# Altium PCB Lancelot.PcbDoc (part 2 of 14) (continued)
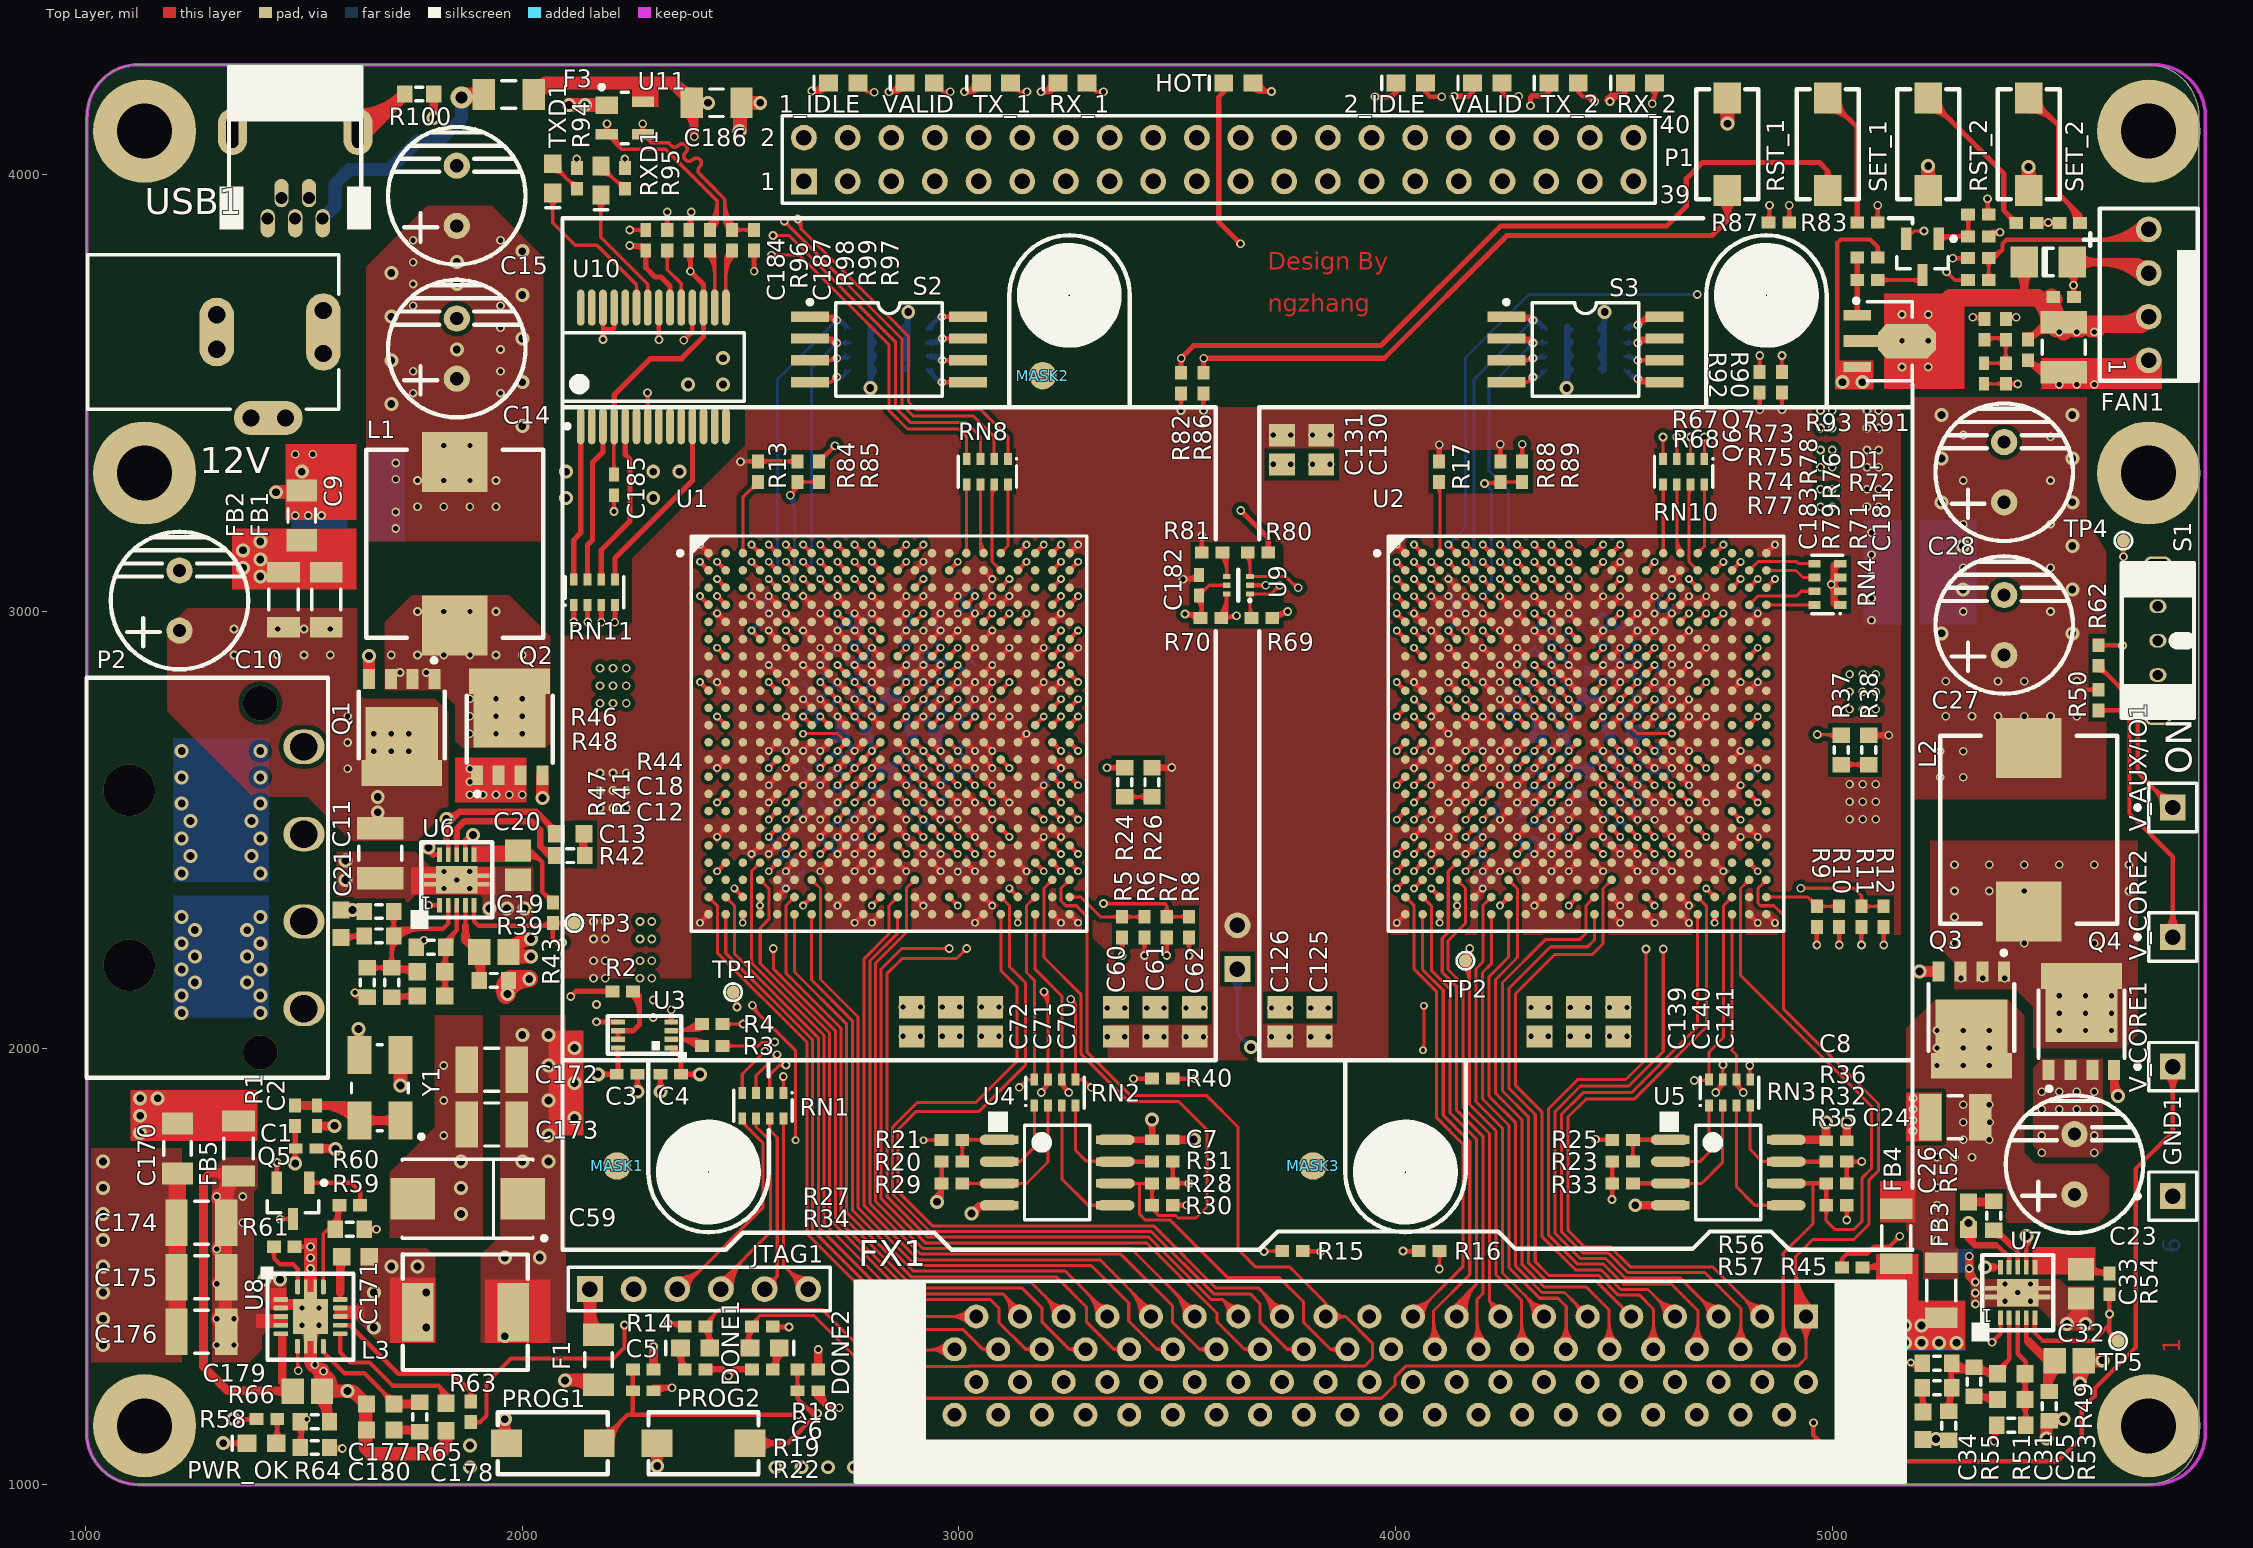
[diagram p0: Top Layer view]
## Nets (pads, with @x,y where several pads share a name; then routed paths per layer and width w, separated by ;. In a path a pad name is that pad's centre, name@x,y a point inside that pad or via, vN(x,y) a via of type N, cw(c..) or ccw(c..) an arc to the next point about the centre after c; other vN are vias at no path point) (continued)
FPGA1_B1_5_P: U1.H21 U2.K5 | length 1141.9
  Top Layer w10: U1.H21@3214.02,2857.8 v1(3233.7,2877.48) ; U1.H21@3214.02,2862.64 ccw(c3214.02,2874.33) 3222.28,2866.06 ccw(c3230.55,2857.8) U1.H21@3218.86,2857.8 ; v1@3229.7,2877.48 cw(c3220.04,2877.48) 3226.87,2870.65 cw(c3233.7,2863.82) v1@3233.7,2873.48 ; v1@4160.4,2794.67 cw(c4160.4,2785.01) 4167.23,2791.84 cw(c4174.06,2798.67) v1@4164.4,2798.67 ; v1(4160.4,2798.67) U2.K5@4180.09,2778.98 ; U2.K5@4175.24,2778.98 ccw(c4163.55,2778.98) 4171.82,2787.25 ccw(c4180.09,2795.52) U2.K5@4180.09,2783.83
  Mid-Layer 4 w7: v1@3233.7,2871.98 cw(c3233.7,2858.7) 3243.09,2868.09 cw(c3252.48,2877.48) v1@3239.2,2877.48 ; v1(3233.7,2877.48) 3253.39,2857.8 3272.96,2857.8 3286.89,2871.72 4059.28,2871.72 4083.35,2847.65 4083.35,2836.45 4101.44,2818.35 4140.72,2818.35 v1(4160.4,2798.67) ; v1@4154.9,2798.67 ccw(c4141.62,2798.67) 4151.01,2808.06 ccw(c4160.4,2817.45) v1@4160.4,2804.17
FPGA1_B1_6_N: U1.K22 U2.K1 | length 1087.8
  Top Layer w10: U1.K22@3253.39,2779.06 v1(3273.07,2798.74) ; U1.K22@3253.39,2783.9 ccw(c3253.39,2795.59) 3261.65,2787.32 ccw(c3269.92,2779.06) U1.K22@3258.23,2779.06 ; v1@3269.07,2798.74 cw(c3259.41,2798.74) 3266.24,2791.91 cw(c3273.07,2785.08) v1@3273.07,2794.74 ; v1(4002.92,2759.3) U2.K1@4022.61,2778.98 ; v1@4002.92,2763.3 ccw(c4002.92,2772.96) 4009.75,2766.13 ccw(c4016.58,2759.3) v1@4006.92,2759.3 ; U2.K1@4017.76,2778.98 cw(c4006.07,2778.98) 4014.34,2770.72 cw(c4022.61,2762.45) U2.K1@4022.61,2774.14
  Mid-Layer 4 w7: v1(3273.07,2798.74) 3294.48,2798.74 ccw(c3294.48,2809.74) 3305.48,2809.74 3305.48,2810.63 cw(c3316.48,2810.63) 3316.48,2821.63 cw(c3316.48,2810.63) 3327.48,2810.63 3327.48,2809.74 ccw(c3338.48,2809.74) 3338.48,2798.74 ccw(c3338.48,2809.74) 3349.48,2809.74 3349.48,2810.63 cw(c3360.48,2810.63) 3360.48,2821.63 cw(c3360.48,2810.63) 3371.48,2810.63 3371.48,2809.74 ccw(c3382.48,2809.74) 3382.48,2798.74 3438,2798.74 3758,2798.74 3778.87,2798.74 3789.87,2798.74 ccw(c3789.87,2809.74) 3800.87,2809.74 3800.87,2817.74 cw(c3811.87,2817.74) 3811.87,2828.74 cw(c3811.87,2817.74) 3822.87,2817.74 3822.87,2809.74 ccw(c3833.87,2809.74) 3833.87,2798.74 ccw(c3833.87,2809.74) 3844.87,2809.74 3844.87,2817.74 cw(c3855.87,2817.74) 3855.87,2828.74 cw(c3855.87,2817.74) 3866.87,2817.74 3866.87,2809.74 ccw(c3877.87,2809.74) 3877.87,2798.74 ccw(c3877.87,2809.74) 3888.87,2809.74 3888.87,2817.74 cw(c3899.87,2817.74) 3899.87,2828.74 cw(c3899.87,2817.74) 3910.87,2817.74 3910.87,2809.74 ccw(c3921.87,2809.74) 3921.87,2798.74 3932.87,2798.74 3943.87,2798.74 3963.48,2798.74 v1(4002.92,2759.3) ; v1@3276.96,2794.85 cw(c3286.35,2785.46) 3286.35,2798.74 cw(c3286.35,2812.02) v1@3276.96,2802.63 ; v1@3997.42,2759.3 ccw(c3984.14,2759.3) 3993.53,2768.69 ccw(c4002.92,2778.08) v1@4002.92,2764.8
FPGA1_B1_6_P: U1.K21 U2.K2 | length 1058.7
  Top Layer w7: v1@4042.29,2793.17 cw(c4042.29,2779.89) 4051.68,2789.28 cw(c4061.07,2798.67) v1@4047.79,2798.67 ; v1(4042.29,2798.67) U2.K2@4061.98,2778.98 ; U2.K2@4055.63,2778.98 ccw(c4040.32,2778.98) 4051.15,2789.81 ccw(c4061.98,2800.64) U2.K2@4061.98,2785.33
  Top Layer w10: U1.K21@3214.02,2779.06 v1(3233.7,2798.74) ; U1.K21@3214.02,2783.9 ccw(c3214.02,2795.59) 3222.28,2787.32 ccw(c3230.55,2779.06) U1.K21@3218.86,2779.06 ; v1@3229.7,2798.74 cw(c3220.04,2798.74) 3226.87,2791.91 cw(c3233.7,2785.08) v1@3233.7,2794.74
  Mid-Layer 4 w7: v1@3233.7,2793.24 cw(c3233.7,2779.96) 3243.09,2789.35 cw(c3252.48,2798.74) v1@3239.2,2798.74 ; v1(3233.7,2798.74) 3253.39,2779.06 3284.32,2779.06 3290,2784.74 3957.68,2784.74 3983.42,2759 3983.42,2751.22 3995.03,2739.61 3996.77,2739.61 ; 3996.77,2739.8 4011,2739.8 4022.61,2751.41 4022.61,2778.99 v1(4042.29,2798.67) ; v1@4036.79,2798.67 cw(c4023.51,2798.67) 4032.9,2789.28 cw(c4042.29,2779.89) v1@4042.29,2793.17
FPGA1_B1_7_N: U1.L22 U2.M1 | length 1054.5
  Top Layer w10: U1.L22@3253.39,2739.69 v1(3273.07,2759.37) ; U1.L22@3253.39,2744.53 ccw(c3253.39,2756.22) 3261.65,2747.95 ccw(c3269.92,2739.69) U1.L22@3258.23,2739.69 ; v1@3269.07,2759.37 cw(c3259.41,2759.37) 3266.24,2752.54 cw(c3273.07,2745.71) v1@3273.07,2755.37 ; v1(4002.92,2680.56) U2.M1@4022.61,2700.24 ; v1@4002.92,2684.56 ccw(c4002.92,2694.22) 4009.75,2687.39 ccw(c4016.58,2680.56) v1@4006.92,2680.56 ; U2.M1@4017.76,2700.24 cw(c4006.07,2700.24) 4014.34,2691.98 cw(c4022.61,2683.71) U2.M1@4022.61,2695.4
  Mid-Layer 4 w7: v1(3273.07,2759.37) 3278.76,2753.69 3290.97,2753.69 ; v1@3278.02,2761.78 ccw(c3290.97,2768.09) 3290.97,2753.69 ; v1@3997.42,2680.56 ccw(c3984.14,2680.56) 3993.53,2689.95 ccw(c4002.92,2699.34) v1@4002.92,2686.06 ; v1(4002.92,2680.56) 3997.37,2686.11 3989.59,2693.89 cw(c3997.37,2701.67) 3989.59,2709.44 3991.06,2710.91 ccw(c3983.28,2718.69) 3991.06,2726.47 ccw(c3983.28,2718.69) 3975.5,2726.47 3974.03,2725 cw(c3966.26,2732.78) 3958.48,2725 3929.79,2753.69 3530,2753.69 3521.97,2753.69 3507.03,2753.69 cw(c3507.03,2760.74) 3499.97,2760.74 ccw(c3488.97,2760.74) 3488.97,2771.74 ccw(c3488.97,2760.74) 3477.97,2760.74 cw(c3470.91,2760.74) 3470.91,2753.69 3463.03,2753.69 cw(c3463.03,2760.74) 3455.97,2760.74 ccw(c3444.97,2760.74) 3444.97,2771.74 ccw(c3444.97,2760.74) 3433.97,2760.74 cw(c3426.91,2760.74) 3426.91,2753.69 3419.03,2753.69 cw(c3419.03,2760.74) 3411.97,2760.74 ccw(c3400.97,2760.74) 3400.97,2771.74 ccw(c3400.97,2760.74) 3389.97,2760.74 cw(c3382.91,2760.74) 3382.91,2753.69 3375.03,2753.69 cw(c3375.03,2760.74) 3367.97,2760.74 ccw(c3356.97,2760.74) 3356.97,2771.74 ccw(c3356.97,2760.74) 3345.97,2760.74 cw(c3338.91,2760.74) 3338.91,2753.69 3331.03,2753.69 cw(c3331.03,2760.74) 3323.97,2760.74 ccw(c3312.97,2760.74) 3312.97,2771.74 ccw(c3312.97,2760.74) 3301.97,2760.74 cw(c3294.91,2760.74) 3294.91,2753.69 3290.97,2753.69
FPGA1_B1_7_P: U1.L20 U2.M2 | length 1065.9
  Top Layer w10: U1.L20@3174.65,2739.69 v1(3194.33,2759.37) ; U1.L20@3174.65,2744.53 ccw(c3174.65,2756.22) 3182.91,2747.95 ccw(c3191.18,2739.69) U1.L20@3179.49,2739.69 ; v1@3190.33,2759.37 cw(c3180.67,2759.37) 3187.5,2752.54 cw(c3194.33,2745.71) v1@3194.33,2755.37 ; v1(4042.29,2680.56) U2.M2@4061.98,2700.24 ; v1@4042.29,2684.56 ccw(c4042.29,2694.22) 4049.12,2687.39 ccw(c4055.95,2680.56) v1@4046.29,2680.56 ; U2.M2@4057.13,2700.24 cw(c4045.44,2700.24) 4053.71,2691.98 cw(c4061.98,2683.71) U2.M2@4061.98,2695.4
  Mid-Layer 4 w7: v1@3194.33,2753.87 cw(c3194.33,2740.59) 3203.72,2749.98 cw(c3213.11,2759.37) v1@3199.83,2759.37 ; v1(3194.33,2759.37) 3214.02,2739.69 3923.99,2739.69 3983.42,2680.26 3983.42,2672.48 3995.03,2660.87 4022.61,2660.87 v1(4042.29,2680.56) ; v1@4036.79,2680.56 cw(c4023.51,2680.56) 4032.9,2671.17 cw(c4042.29,2661.78) v1@4042.29,2675.06
FPGA1_B1_8_N: U1.M22 U2.P1 | length 1021.8
  Top Layer w10: U1.M22@3253.39,2695.47 cw(c3253.39,2683.78) 3261.65,2692.05 cw(c3269.92,2700.32) U1.M22@3258.23,2700.32 ; U1.M22@3253.39,2700.32 v1(3273.07,2680.63) ; v1@3269.07,2680.63 ccw(c3259.41,2680.63) 3266.24,2687.46 ccw(c3273.07,2694.29) v1@3273.07,2684.63 ; v1(4002.92,2601.82) U2.P1@4022.61,2621.5 ; v1@4002.92,2605.82 ccw(c4002.92,2615.47) 4009.75,2608.65 ccw(c4016.58,2601.82) v1@4006.92,2601.82 ; U2.P1@4017.76,2621.5 cw(c4006.07,2621.5) 4014.34,2613.24 cw(c4022.61,2604.97) U2.P1@4022.61,2616.66
  Mid-Layer 4 w7: v1(3273.07,2680.63) 3295,2680.63 3306,2680.63 3319.87,2680.63 cw(c3319.87,2672.5) 3328,2672.5 ccw(c3339,2672.5) 3339,2661.5 ccw(c3339,2672.5) 3350,2672.5 cw(c3358.13,2672.5) 3358.13,2680.63 3361,2680.63 cw(c3361,2669.63) 3372,2669.63 3372,2662.49 ccw(c3383,2662.49) 3383,2651.49 ccw(c3383,2662.49) 3394,2662.49 3394,2669.63 cw(c3405,2669.63) 3405,2680.63 3576,2680.63 3895.57,2680.63 3909,2667.2 3916.78,2659.42 3924.56,2651.64 cw(c3916.78,2643.87) 3924.56,2636.09 3921.56,2633.09 ccw(c3929.34,2625.31) 3921.56,2617.53 ccw(c3929.34,2625.31) 3937.11,2617.53 3940.11,2620.53 cw(c3947.89,2612.75) 3955.67,2620.53 3961.1,2615.1 3974.38,2601.82 v1(4002.92,2601.82) ; v1@3276.96,2676.74 cw(c3286.35,2667.35) 3286.35,2680.63 cw(c3286.35,2693.91) v1@3276.96,2684.52 ; v1@3999.03,2597.93 ccw(c3989.64,2588.54) 3989.64,2601.82 ccw(c3989.64,2615.1) v1@3999.03,2605.71
FPGA1_B1_8_P: U1.M21 U2.P2 | length 1022
  Top Layer w10: U1.M21@3214.02,2695.47 cw(c3214.02,2683.78) 3222.28,2692.05 cw(c3230.55,2700.32) U1.M21@3218.86,2700.32 ; U1.M21@3214.02,2700.32 v1(3233.7,2680.63) ; v1@3229.7,2680.63 ccw(c3220.04,2680.63) 3226.87,2687.46 ccw(c3233.7,2694.29) v1@3233.7,2684.63 ; v1(4042.29,2601.82) U2.P2@4061.98,2621.5 ; v1@4042.29,2605.82 ccw(c4042.29,2615.47) 4049.12,2608.65 ccw(c4055.95,2601.82) v1@4046.29,2601.82 ; U2.P2@4057.13,2621.5 cw(c4045.44,2621.5) 4053.71,2613.24 cw(c4061.98,2604.97) U2.P2@4061.98,2616.66
  Mid-Layer 4 w7: v1(3233.7,2680.63) 3253.39,2700.31 3253.57,2700.13 3281.15,2700.13 3286.65,2694.63 3901.37,2694.63 3974.5,2621.5 4022.61,2621.5 v1(4042.29,2601.82) ; v1@3233.7,2686.13 ccw(c3233.7,2699.41) 3243.09,2690.02 ccw(c3252.48,2680.63) v1@3239.2,2680.63 ; v1@4036.79,2601.82 ccw(c4023.51,2601.82) 4032.9,2611.21 ccw(c4042.29,2620.59) v1@4042.29,2607.32
FPGA1_B1_9_N: U1.P22 U2.T1 | length 1031.5
  Top Layer w10: U1.P22@3253.39,2616.73 cw(c3253.39,2605.04) 3261.65,2613.31 cw(c3269.92,2621.57) U1.P22@3258.23,2621.57 ; U1.P22@3253.39,2621.57 v1(3273.07,2601.89) ; v1@3269.07,2601.89 ccw(c3259.41,2601.89) 3266.24,2608.72 ccw(c3273.07,2615.55) v1@3273.07,2605.89 ; v1(4002.92,2523.08) U2.T1@4022.61,2542.76 ; v1@4002.92,2527.08 ccw(c4002.92,2536.73) 4009.75,2529.91 ccw(c4016.58,2523.08) v1@4006.92,2523.08 ; U2.T1@4017.76,2542.76 cw(c4006.07,2542.76) 4014.34,2534.5 cw(c4022.61,2526.23) U2.T1@4022.61,2537.92
  Mid-Layer 4 w7: v1(3273.07,2601.89) 3304,2601.89 ccw(c3304,2612.89) 3315,2612.89 cw(c3326,2612.89) 3326,2623.89 cw(c3326,2612.89) 3337,2612.89 ccw(c3348,2612.89) 3348,2601.89 ccw(c3348,2612.89) 3359,2612.89 cw(c3370,2612.89) 3370,2623.89 cw(c3370,2612.89) 3381,2612.89 ccw(c3392,2612.89) 3392,2601.89 ccw(c3392,2612.89) 3403,2612.89 cw(c3414,2612.89) 3414,2623.89 cw(c3414,2612.89) 3425,2612.89 ccw(c3436,2612.89) 3436,2601.89 3499,2601.89 3882,2601.89 3893,2601.89 3915,2601.89 3924.11,2601.89 3931.89,2594.11 3939.67,2586.33 ccw(c3947.44,2594.11) 3955.22,2586.33 3956.65,2587.76 cw(c3964.43,2579.98) 3972.21,2587.76 cw(c3964.43,2579.98) 3972.21,2572.2 3970.78,2570.78 ccw(c3978.56,2563) 3970.78,2555.22 3978.56,2547.44 3982.5,2543.5 v1(4002.92,2523.08) ; v1@3276.96,2598 cw(c3286.35,2588.61) 3286.35,2601.89 cw(c3286.35,2615.17) v1@3276.96,2605.78 ; v1@3997.42,2523.08 ccw(c3984.14,2523.08) 3993.53,2532.47 ccw(c4002.92,2541.86) v1@4002.92,2528.58
FPGA1_B1_9_P: U1.P21 U2.T2 | length 1031.3
  Top Layer w10: U1.P21@3214.02,2616.73 cw(c3214.02,2605.04) 3222.28,2613.31 cw(c3230.55,2621.57) U1.P21@3218.86,2621.57 ; U1.P21@3214.02,2621.57 v1(3233.7,2601.89) ; v1@3229.7,2601.89 ccw(c3220.04,2601.89) 3226.87,2608.72 ccw(c3233.7,2615.55) v1@3233.7,2605.89 ; v1(4042.29,2523.08) U2.T2@4061.98,2542.76 ; v1@4042.29,2527.08 ccw(c4042.29,2536.73) 4049.12,2529.91 ccw(c4055.95,2523.08) v1@4046.29,2523.08 ; U2.T2@4057.13,2542.76 cw(c4045.44,2542.76) 4053.71,2534.5 cw(c4061.98,2526.23) U2.T2@4061.98,2537.92
  Mid-Layer 4 w7: v1@3233.7,2596.39 cw(c3233.7,2583.11) 3243.09,2592.5 cw(c3252.48,2601.89) v1@3239.2,2601.89 ; v1(3233.7,2601.89) 3253.39,2582.2 3285.32,2582.2 3291,2587.89 3918.31,2587.89 3983.42,2522.78 3983.42,2515 3995.03,2503.39 4022.61,2503.39 v1(4042.29,2523.08) ; v1@4036.79,2523.08 cw(c4023.51,2523.08) 4032.9,2513.69 cw(c4042.29,2504.3) v1@4042.29,2517.58
FPGA1_B1_10_N: U1.T22 U2.V1 | length 1021.8
  Top Layer w10: U1.T22@3253.39,2537.99 cw(c3253.39,2526.3) 3261.65,2534.57 cw(c3269.92,2542.83) U1.T22@3258.23,2542.83 ; U1.T22@3253.39,2542.83 v1(3273.07,2523.15) ; v1@3269.07,2523.15 ccw(c3259.41,2523.15) 3266.24,2529.98 ccw(c3273.07,2536.81) v1@3273.07,2527.15 ; v1(4002.92,2444.34) U2.V1@4022.61,2464.02 ; v1@4002.92,2448.34 ccw(c4002.92,2457.99) 4009.75,2451.17 ccw(c4016.58,2444.34) v1@4006.92,2444.34 ; U2.V1@4017.76,2464.02 cw(c4006.07,2464.02) 4014.34,2455.76 cw(c4022.61,2447.49) U2.V1@4022.61,2459.18
  Mid-Layer 4 w7: v1(3273.07,2523.15) 3306,2523.15 3317,2523.15 3328,2523.15 cw(c3328,2512.15) 3339,2512.15 3339,2511.28 ccw(c3350,2511.28) 3350,2500.28 ccw(c3350,2511.28) 3361,2511.28 3361,2512.15 cw(c3372,2512.15) 3372,2523.15 cw(c3372,2512.15) 3383,2512.15 3383,2511.28 ccw(c3394,2511.28) 3394,2500.28 ccw(c3394,2511.28) 3405,2511.28 3405,2512.15 cw(c3416,2512.15) 3416,2523.15 3443,2523.15 3924.11,2523.15 3934.13,2513.13 3941.91,2505.35 3949.69,2497.57 cw(c3941.91,2489.79) 3949.69,2482.02 3944.03,2476.36 ccw(c3951.81,2468.58) 3944.03,2460.8 ccw(c3951.81,2468.58) 3959.58,2460.8 3965.24,2466.46 cw(c3973.02,2458.68) 3980.8,2466.46 3988.58,2458.68 3988.92,2458.34 v1(4002.92,2444.34) ; v1@3276.96,2519.26 cw(c3286.35,2509.87) 3286.35,2523.15 cw(c3286.35,2536.43) v1@3276.96,2527.04 ; v1@3997.42,2444.34 ccw(c3984.14,2444.34) 3993.53,2453.73 ccw(c4002.92,2463.12) v1@4002.92,2449.84
FPGA1_B1_10_P: U1.T21 U2.V2 | length 1022
  Top Layer w10: U1.T21@3214.02,2537.99 cw(c3214.02,2526.3) 3222.28,2534.57 cw(c3230.55,2542.83) U1.T21@3218.86,2542.83 ; U1.T21@3214.02,2542.83 v1(3233.7,2523.15) ; v1@3229.7,2523.15 ccw(c3220.04,2523.15) 3226.87,2529.98 ccw(c3233.7,2536.81) v1@3233.7,2527.15 ; v1(4042.29,2444.34) U2.V2@4061.98,2464.02 ; v1@4042.29,2448.34 ccw(c4042.29,2457.99) 4049.12,2451.17 ccw(c4055.95,2444.34) v1@4046.29,2444.34 ; U2.V2@4057.13,2464.02 cw(c4045.44,2464.02) 4053.71,2455.76 cw(c4061.98,2447.49) U2.V2@4061.98,2459.18
  Mid-Layer 4 w7: v1(3233.7,2523.15) 3253.39,2542.83 3253.57,2542.65 3281.15,2542.65 3286.65,2537.15 3929.91,2537.15 4003.03,2464.02 4022.6,2464.02 v1(4042.29,2444.34) ; v1@3233.7,2528.65 ccw(c3233.7,2541.93) 3243.09,2532.54 ccw(c3252.48,2523.15) v1@3239.2,2523.15 ; v1@4036.79,2444.34 ccw(c4023.51,2444.34) 4032.9,2453.73 ccw(c4042.29,2463.12) v1@4042.29,2449.84
FPGA1_B1_11_N: U1.V22 U2.W1 | length 1053.8
  Top Layer w10: U1.V22@3253.39,2459.25 cw(c3253.39,2447.56) 3261.65,2455.83 cw(c3269.92,2464.09) U1.V22@3258.23,2464.09 ; U1.V22@3253.39,2464.09 v1(3273.07,2444.41) ; v1@3269.07,2444.41 ccw(c3259.41,2444.41) 3266.24,2451.24 ccw(c3273.07,2458.07) v1@3273.07,2448.41 ; v1(4002.92,2404.97) U2.W1@4022.61,2424.65 ; v1@4002.92,2408.97 ccw(c4002.92,2418.62) 4009.75,2411.8 ccw(c4016.58,2404.97) v1@4006.92,2404.97 ; U2.W1@4017.76,2424.65 cw(c4006.07,2424.65) 4014.34,2416.39 cw(c4022.61,2408.12) U2.W1@4022.61,2419.81
  Mid-Layer 4 w7: v1(3273.07,2444.41) 3305,2444.41 ccw(c3305,2455.41) 3316,2455.41 3316,2457 cw(c3327,2457) 3327,2468 cw(c3327,2457) 3338,2457 3338,2455.41 ccw(c3349,2455.41) 3349,2444.41 ccw(c3349,2455.41) 3360,2455.41 3360,2457 cw(c3371,2457) 3371,2468 cw(c3371,2457) 3382,2457 3382,2455.41 ccw(c3393,2455.41) 3393,2444.41 3404,2444.41 3847,2444.41 ccw(c3847,2445.41) 3848,2445.41 3848,2463.41 cw(c3859,2463.41) 3859,2474.41 cw(c3859,2463.41) 3870,2463.41 3870,2455.41 ccw(c3881,2455.41) 3881,2444.41 ccw(c3881,2455.41) 3892,2455.41 3892,2463.41 cw(c3903,2463.41) 3903,2474.41 cw(c3903,2463.41) 3914,2463.41 3914,2455.41 ccw(c3925,2455.41) 3925,2444.41 3936,2444.41 3947,2444.41 3963.48,2444.41 v1(4002.92,2404.97) ; v1@3276.96,2440.52 cw(c3286.35,2431.13) 3286.35,2444.41 cw(c3286.35,2457.69) v1@3276.96,2448.3 ; v1@3997.42,2404.97 ccw(c3984.14,2404.97) 3993.53,2414.36 ccw(c4002.92,2423.75) v1@4002.92,2410.47
FPGA1_B1_11_P: U1.V21 U2.W3 | length 1054.3
  Top Layer w10: U1.V21@3214.02,2459.25 cw(c3214.02,2447.56) 3222.28,2455.83 cw(c3230.55,2464.09) U1.V21@3218.86,2464.09 ; U1.V21@3214.02,2464.09 v1(3233.7,2444.41) ; v1@3229.7,2444.41 ccw(c3220.04,2444.41) 3226.87,2451.24 ccw(c3233.7,2458.07) v1@3233.7,2448.41 ; v1(4081.66,2404.97) U2.W3@4101.35,2424.65 ; v1@4081.66,2408.97 ccw(c4081.66,2418.62) 4088.49,2411.8 ccw(c4095.32,2404.97) v1@4085.66,2404.97 ; U2.W3@4096.5,2424.65 cw(c4084.81,2424.65) 4093.08,2416.39 cw(c4101.35,2408.12) U2.W3@4101.35,2419.81
  Mid-Layer 4 w7: v1@3233.7,2438.91 cw(c3233.7,2425.63) 3243.09,2435.02 cw(c3252.48,2444.41) v1@3239.2,2444.41 ; v1(3233.7,2444.41) 3253.39,2424.72 3288.32,2424.72 3294,2430.41 3957.68,2430.41 3983.42,2404.67 3983.42,2396.89 3995.03,2385.28 4061.98,2385.28 v1(4081.66,2404.97) ; v1@4076.16,2404.97 cw(c4062.88,2404.97) 4072.27,2395.58 cw(c4081.66,2386.19) v1@4081.66,2399.47
FPGA1_B1_12_N: U1.W22 U2.Y1 | length 1046.8
  Top Layer w10: U1.W22@3253.39,2419.88 cw(c3253.39,2408.19) 3261.65,2416.46 cw(c3269.92,2424.72) U1.W22@3258.23,2424.72 ; U1.W22@3253.39,2424.72 v1(3273.07,2405.04) ; v1@3269.07,2405.04 ccw(c3259.41,2405.04) 3266.24,2411.87 ccw(c3273.07,2418.7) v1@3273.07,2409.04 ; v1(4002.92,2365.6) U2.Y1@4022.61,2385.28 ; v1@4002.92,2369.6 ccw(c4002.92,2379.25) 4009.75,2372.43 ccw(c4016.58,2365.6) v1@4006.92,2365.6 ; U2.Y1@4017.76,2385.28 cw(c4006.07,2385.28) 4014.34,2377.02 cw(c4022.61,2368.75) U2.Y1@4022.61,2380.44
  Mid-Layer 4 w7: v1@3273.07,2399.54 cw(c3273.07,2386.26) 3282.46,2395.65 cw(c3291.85,2405.04) v1@3278.57,2405.04 ; v1(3273.07,2405.04) 3312.51,2365.6 3320,2365.6 ccw(c3320,2376.6) 3331,2376.6 3331,2379.88 cw(c3342,2379.88) 3342,2390.88 cw(c3342,2379.88) 3353,2379.88 3353,2376.6 ccw(c3364,2376.6) 3364,2365.6 ccw(c3364,2376.6) 3375,2376.6 3375,2379.88 cw(c3386,2379.88) 3386,2390.88 cw(c3386,2379.88) 3397,2379.88 3397,2376.6 ccw(c3408,2376.6) 3408,2365.6 ccw(c3408,2376.6) 3419,2376.6 3419,2379.88 cw(c3430,2379.88) 3430,2390.88 cw(c3430,2379.88) 3441,2379.88 3441,2376.6 ccw(c3452,2376.6) 3452,2365.6 3492,2365.6 3882,2365.6 3892,2365.6 3903,2365.6 ccw(c3903,2376.6) 3914,2376.6 3914,2384.6 cw(c3925,2384.6) 3925,2395.6 cw(c3925,2384.6) 3936,2384.6 3936,2376.6 ccw(c3947,2376.6) 3947,2365.6 3958,2365.6 3969,2365.6 v1(4002.92,2365.6) ; v1@3999.03,2361.71 ccw(c3989.64,2352.32) 3989.64,2365.6 ccw(c3989.64,2378.88) v1@3999.03,2369.49
FPGA1_B1_12_P: U1.W20 U2.Y2 | length 1047.4
  Top Layer w10: U1.W20@3174.65,2419.88 cw(c3174.65,2408.19) 3182.91,2416.46 cw(c3191.18,2424.72) U1.W20@3179.49,2424.72 ; U1.W20@3174.65,2424.72 v1(3194.33,2405.04) ; v1@3190.33,2405.04 ccw(c3180.67,2405.04) 3187.5,2411.87 ccw(c3194.33,2418.7) v1@3194.33,2409.04 ; v1(4042.29,2365.6) U2.Y2@4061.98,2385.28 ; v1@4042.29,2369.6 ccw(c4042.29,2379.25) 4049.12,2372.43 ccw(c4055.95,2365.6) v1@4046.29,2365.6 ; U2.Y2@4057.13,2385.28 cw(c4045.44,2385.28) 4053.71,2377.02 cw(c4061.98,2368.75) U2.Y2@4061.98,2380.44
  Mid-Layer 4 w7: v1@3194.33,2399.54 cw(c3194.33,2386.26) 3203.72,2395.65 cw(c3213.11,2405.04) v1@3199.83,2405.04 ; v1(3194.33,2405.04) 3233.77,2365.6 3288.47,2365.6 3302.07,2352 3984.7,2352 3993.6,2343.1 4019.79,2343.1 v1(4042.29,2365.6) ; v1@4036.79,2365.6 cw(c4023.51,2365.6) 4032.9,2356.21 cw(c4042.29,2346.82) v1@4042.29,2360.1
FPGA1_BUSY: FX1.26 U1.T20 | length 2383.2
  Top Layer w7: v2@2973.2,2223.4 ccw(c2962.1,2212.31) 2962.1,2228 ccw(c2962.1,2243.69) v2@2973.2,2232.6 ; v2(2977.8,2228) 2869,2228 2822,2181 2822,1654.92 2922.92,1554 3429.85,1554 3591,1392.85 3591,1373 3653.88,1310.12 ; FX1.26@3667.8,1300.85 ccw(c3653.88,1295.04) 3653.88,1310.12 ; FX1.26@3667.8,1319.39 cw(c3653.88,1325.2) 3653.88,1310.12 ; FX1.26@3690,1310.12 3653.88,1310.12
  Top Layer w10: U1.T20@3174.65,2537.99 cw(c3174.65,2526.3) 3182.91,2534.57 cw(c3191.18,2542.83) U1.T20@3179.49,2542.83 ; U1.T20@3174.65,2542.83 v1(3194.33,2523.15) ; v1@3190.33,2523.15 ccw(c3180.67,2523.15) 3187.5,2529.98 ccw(c3194.33,2536.81) v1@3194.33,2527.15
  Mid-Layer 4 w7: v2@2973.2,2232.6 ccw(c2962.1,2243.69) 2977.8,2243.69 ccw(c2993.49,2243.69) v2@2982.39,2232.6 ; v2(2977.8,2228) 2977.8,2490.26 2989.82,2502.28 2995,2502.28 2996.19,2503.46 3095.91,2503.46 3115.59,2523.15 v1(3194.33,2523.15) ; v1@3190.44,2519.26 ccw(c3181.05,2509.87) 3181.05,2523.15 ccw(c3181.05,2536.43) v1@3190.44,2527.04
FPGA1_CLK: R4.1 U1.J1 | length 1123.7
  Top Layer w7: R4.1@2458.62,2055 v2(2506,2055) ; R4.1@2467.86,2047.73 cw(c2485.41,2030.18) 2485.41,2055 cw(c2485.41,2079.82) R4.1@2467.86,2062.27 ; v2@2501.4,2050.4 ccw(c2490.31,2039.31) 2490.31,2055 ccw(c2490.31,2070.69) v2@2501.4,2059.6
  Top Layer w10: v1@2406.93,2834.11 cw(c2406.93,2824.45) 2413.76,2831.28 cw(c2420.59,2838.11) v1@2410.93,2838.11 ; v1(2406.93,2838.11) U1.J1@2426.61,2818.43 ; U1.J1@2421.77,2818.43 ccw(c2410.08,2818.43) 2418.35,2826.69 ccw(c2426.61,2834.96) U1.J1@2426.61,2823.27
  Mid-Layer 4 w7: v1@2401.43,2838.11 cw(c2388.15,2838.11) 2397.54,2828.72 cw(c2406.93,2819.33) v1@2406.93,2832.61 ; v1(2406.93,2838.11) 2355,2786.18 2355,2140 2440,2055 v2(2506,2055) ; v2@2501.4,2050.4 ccw(c2490.31,2039.31) 2490.31,2055 ccw(c2490.31,2070.69) v2@2501.4,2059.6
FPGA1_CS: R21.2 U1.T5 | length 1378.2
  Top Layer w7: v2(2527,2098) 2527,2092.58 2626,1993.58 v1(2626,1789) ; v2@2533.5,2098 ccw(c2562.28,2098) 2541.93,2077.65 ; v1@2622.11,1792.89 ccw(c2612.72,1802.28) 2626,1802.28 ccw(c2639.28,1802.28) v1@2629.89,1792.89 ; v1(2919,1789) 2959.38,1789 R21.2@2960.38,1790 ; v1@2922.89,1785.11 cw(c2932.28,1775.72) 2932.28,1789 cw(c2932.28,1802.28) v1@2922.89,1792.89 ; 2931.18,1789 ccw(c2931.18,1817.23) R21.2@2951.14,1797.27 ; 2936.01,1789 cw(c2936.01,1767.6) R21.2@2951.14,1782.73
  Top Layer w10: v1(2564.41,2523.15) U1.T5@2584.09,2542.83 ; v1@2564.41,2527.15 ccw(c2564.41,2536.81) 2571.24,2529.98 ccw(c2578.07,2523.15) v1@2568.41,2523.15 ; U1.T5@2579.25,2542.83 cw(c2567.56,2542.83) 2575.83,2534.57 cw(c2584.09,2526.3) U1.T5@2584.09,2537.99
  Mid-Layer 4 w7: v2@2522.4,2102.6 ccw(c2516.14,2108.86) 2525,2108.86 ; v2@2525,2098 2525,2405 2544.72,2424.72 2544.72,2503.46 v1(2564.41,2523.15) ; 2525,2118.52 ccw(c2547.52,2118.52) v2@2531.6,2102.6 ; v1@2558.91,2523.15 cw(c2545.63,2523.15) 2555.02,2513.76 cw(c2564.41,2504.37) v1@2564.41,2517.65 ; v1(2626,1789) v1(2919,1789) ; v1@2629.89,1785.11 cw(c2639.28,1775.72) 2639.28,1789 cw(c2639.28,1802.28) v1@2629.89,1792.89 ; v1@2915.11,1785.11 ccw(c2905.72,1775.72) 2905.72,1789 ccw(c2905.72,1802.28) v1@2915.11,1792.89
FPGA1_DQ0: FX1.79 RN2.8 U1.AA20 | length 1526.4
  Top Layer w7: v2(3138,1910) 3155.53,1927.53 RN2.8@3172.76,1927.53 3172.76,2155.24 3155,2173 3155,2326.34 U1.AA20@3174.65,2345.98 ; v2@3138,1916.5 ccw(c3138,1932.19) 3149.1,1921.1 ccw(c3160.19,1910) v2@3144.5,1910 ; U1.AA20@3168.3,2345.98 cw(c3152.99,2345.98) 3163.82,2335.16 cw(c3174.65,2324.33) U1.AA20@3174.65,2339.64 ; RN2.8@3168.97,1923.74 ccw(c3159.82,1914.59) 3159.82,1927.53 ccw(c3159.82,1940.46) RN2.8@3168.97,1931.32 ; RN2.8@3168.97,1936.24 ccw(c3159.82,1945.38) 3172.76,1945.38 ccw(c3185.69,1945.38) RN2.8@3176.54,1936.24
  Mid-Layer 4 w7: FX1.79@3022.99,1252.13 ccw(c2986.74,1288.37) 3038,1288.37 ; FX1.79@3027.94,1247.18 ccw(c3003.64,1271.47) 3038,1271.47 ; 3038,1264.23 ccw(c3069.11,1264.23) FX1.79@3047.11,1242.23 ; 3038,1281.13 ccw(c3086.01,1281.13) FX1.79@3052.06,1247.18 ; 3038,1298.03 ccw(c3102.91,1298.03) FX1.79@3057.01,1252.13 ; FX1.79@3040,1235.12 3038,1237.12 3038,1327 3010,1355 3010,1355.65 2991,1374.65 2991,1630 3138,1777 v2(3138,1910) ; v2@3133.4,1905.4 cw(c3122.31,1894.31) 3138,1894.31 cw(c3153.69,1894.31) v2@3142.6,1905.4
FPGA1_DQ1: FX1.77 RN2.7 U1.U14 | length 2033.8
  Top Layer w7: v2@3186.82,1904.27 ccw(c3182.65,1919.82) 3196.6,1911.77 ; v2(3188.5,1897.99) 3204.25,1913.74 ; v2@3188.5,1904.49 ccw(c3188.5,1920.18) 3199.6,1909.09 ccw(c3210.7,1897.99) v2@3195,1897.99 ; v2@3188.83,1898.32 ccw(c3164.55,1922.61) RN2.7@3198.89,1922.61 ; v2@3190.4,2124.4 cw(c3156.97,2090.97) 3204.25,2090.97 ; v2@3194.78,1899.67 cw(c3209.54,1903.63) 3196.31,1911.27 ; v2(3195,2129) 3204.25,2119.75 ; v2@3195.35,2129.35 cw(c3173.87,2107.87) 3204.25,2107.87 ; v2@3195.89,2122.56 cw(c3197.24,2112.74) 3204.25,2119.75 ; RN2.7@3200.46,1936.24 ccw(c3191.32,1945.38) 3204.25,1945.38 ccw(c3217.19,1945.38) RN2.7@3208.04,1936.24 ; 3200.78,1910.27 ccw(c3188.45,1922.61) RN2.7@3205.89,1922.61 ; v2@3201.44,2128.11 ccw(c3211.26,2126.76) 3204.25,2119.75 ; RN2.7@3201.76,1917.86 cw(c3199.59,1913.74) 3204.25,1913.74 ; RN2.7@3206.74,1917.86 ccw(c3208.91,1913.74) 3204.25,1913.74 ; 3204.25,1913.74 RN2.7@3204.25,1927.53 3204.25,2119.75
  Top Layer w10: U1.U14@2938.43,2498.62 cw(c2938.43,2486.93) 2946.69,2495.2 cw(c2954.96,2503.46) U1.U14@2943.27,2503.46 ; U1.U14@2938.43,2503.46 v1(2958.11,2483.78) ; v1@2954.11,2483.78 ccw(c2944.45,2483.78) 2951.28,2490.61 ccw(c2958.11,2497.44) v1@2958.11,2487.78
  Mid-Layer 4 w7: v1@2952.61,2483.78 cw(c2939.33,2483.78) 2948.72,2474.39 cw(c2958.11,2465) v1@2958.11,2478.28 ; v1(2958.11,2483.78) 2938.43,2464.09 2938.43,2221.19 2964.62,2195 3121,2195 3187,2129 v2(3195,2129) ; FX1.77@3122.99,1252.13 ccw(c3084.33,1290.79) 3139,1290.79 ; FX1.77@3127.94,1247.18 ccw(c3101.23,1273.89) 3139,1273.89 ; 3139,1278.72 ccw(c3183.6,1278.72) FX1.77@3152.06,1247.18 ; 3139,1295.62 ccw(c3200.5,1295.62) FX1.77@3157.01,1252.13 ; FX1.77@3140,1235.12 3139,1236.12 3139,1324 3092,1371 3092,1634.39 3188.5,1730.89 v2(3188.5,1897.99) ; 3170.25,2145.75 ccw(c3195,2170.51) v2@3195,2135.5 ; 3182.2,2133.8 ccw(c3195,2146.61) v2@3195,2128.5 ; v2@3183.91,1893.39 cw(c3172.81,1882.3) 3188.5,1882.3 cw(c3204.2,1882.3) v2@3193.1,1893.39
FPGA1_DQ2: FX1.73 RN2.5 U1.U13 | length 2005.9
  Top Layer w7: v2(3256,2112) 3267,2101 ; v2@3256.04,2105.5 cw(c3256.14,2090.14) 3267,2101 ; v2@3262.5,2111.96 ccw(c3277.86,2111.86) 3267,2101 ; RN2.5@3263.46,1936.24 ccw(c3254.9,1944.8) 3267,1944.8 ; 3267,1945.97 ccw(c3280.77,1945.97) RN2.5@3271.03,1936.24 ; RN2.5@3271.03,1923.74 cw(c3280.18,1914.59) 3280.18,1927.53 cw(c3280.18,1940.46) RN2.5@3271.03,1931.32 ; v2@3296.5,1910 ccw(c3280.81,1910) 3291.9,1921.1 ccw(c3303,1932.19) v2@3303,1916.5 ; v2(3303,1910) 3285.47,1927.53 RN2.5@3267.24,1927.53 3267,1927.77 3267,2101
  Top Layer w10: U1.U13@2899.06,2498.62 cw(c2899.06,2486.93) 2907.32,2495.2 cw(c2915.59,2503.46) U1.U13@2903.9,2503.46 ; U1.U13@2899.06,2503.46 v1(2918.74,2483.78) ; v1@2914.74,2483.78 ccw(c2905.08,2483.78) 2911.91,2490.61 ccw(c2918.74,2497.44) v1@2918.74,2487.78
  Mid-Layer 4 w7: v1@2913.24,2483.78 cw(c2899.96,2483.78) 2909.35,2474.39 cw(c2918.74,2465) v1@2918.74,2478.28 ; v1(2918.74,2483.78) 2899.06,2464.09 2899.06,2226.94 2947,2179 3094.68,2179 3165.68,2108 3252,2108 v2(3256,2112) ; 3230.65,2108 ccw(c3230.65,2137.35) v2@3251.4,2116.6 ; v2@3298.4,1905.4 cw(c3287.31,1894.31) 3303,1894.31 cw(c3318.69,1894.31) v2@3307.6,1905.4 ; v2(3303,1910) 3303,1684.17 3292,1673.17 3292,1373 3342,1323 3342,1237.12 FX1.73@3340,1235.12 ; FX1.73@3322.99,1252.13 ccw(c3277.09,1298.03) 3342,1298.03 ; FX1.73@3327.94,1247.18 ccw(c3293.99,1281.13) 3342,1281.13 ; FX1.73@3332.89,1242.23 ccw(c3310.89,1264.23) 3342,1264.23 ; 3342,1271.47 ccw(c3376.35,1271.47) FX1.73@3352.06,1247.18 ; 3342,1288.37 ccw(c3393.25,1288.37) FX1.73@3357.01,1252.13
FPGA1_DQ3: FX1.35 U1.AA6 | length 1603.3
  Top Layer w7: U1.AA6@2617.12,2345.98 cw(c2601.81,2345.98) 2612.64,2335.16 cw(c2623.46,2324.33) U1.AA6@2623.46,2339.64 ; U1.AA6@2623.46,2345.98 2604,2326.52 2604,2171.31 2730,2045.31 2730,1618.22 2885.22,1463 3166,1463 3240,1389 FX1.35@3240,1385.12 ; 3196.18,1432.82 cw(c3148.49,1385.12) FX1.35@3215.94,1385.12 ; 3205.56,1423.44 ccw(c3240,1457.89) FX1.35@3240,1409.18 ; 3208.13,1420.87 cw(c3172.39,1385.12) FX1.35@3222.94,1385.12 ; 3217.51,1411.49 ccw(c3240,1433.99) FX1.35@3240,1402.18 ; 3220.08,1408.92 cw(c3196.28,1385.12) FX1.35@3229.94,1385.12